# Altium PCB PCB1.PcbDoc (continued)
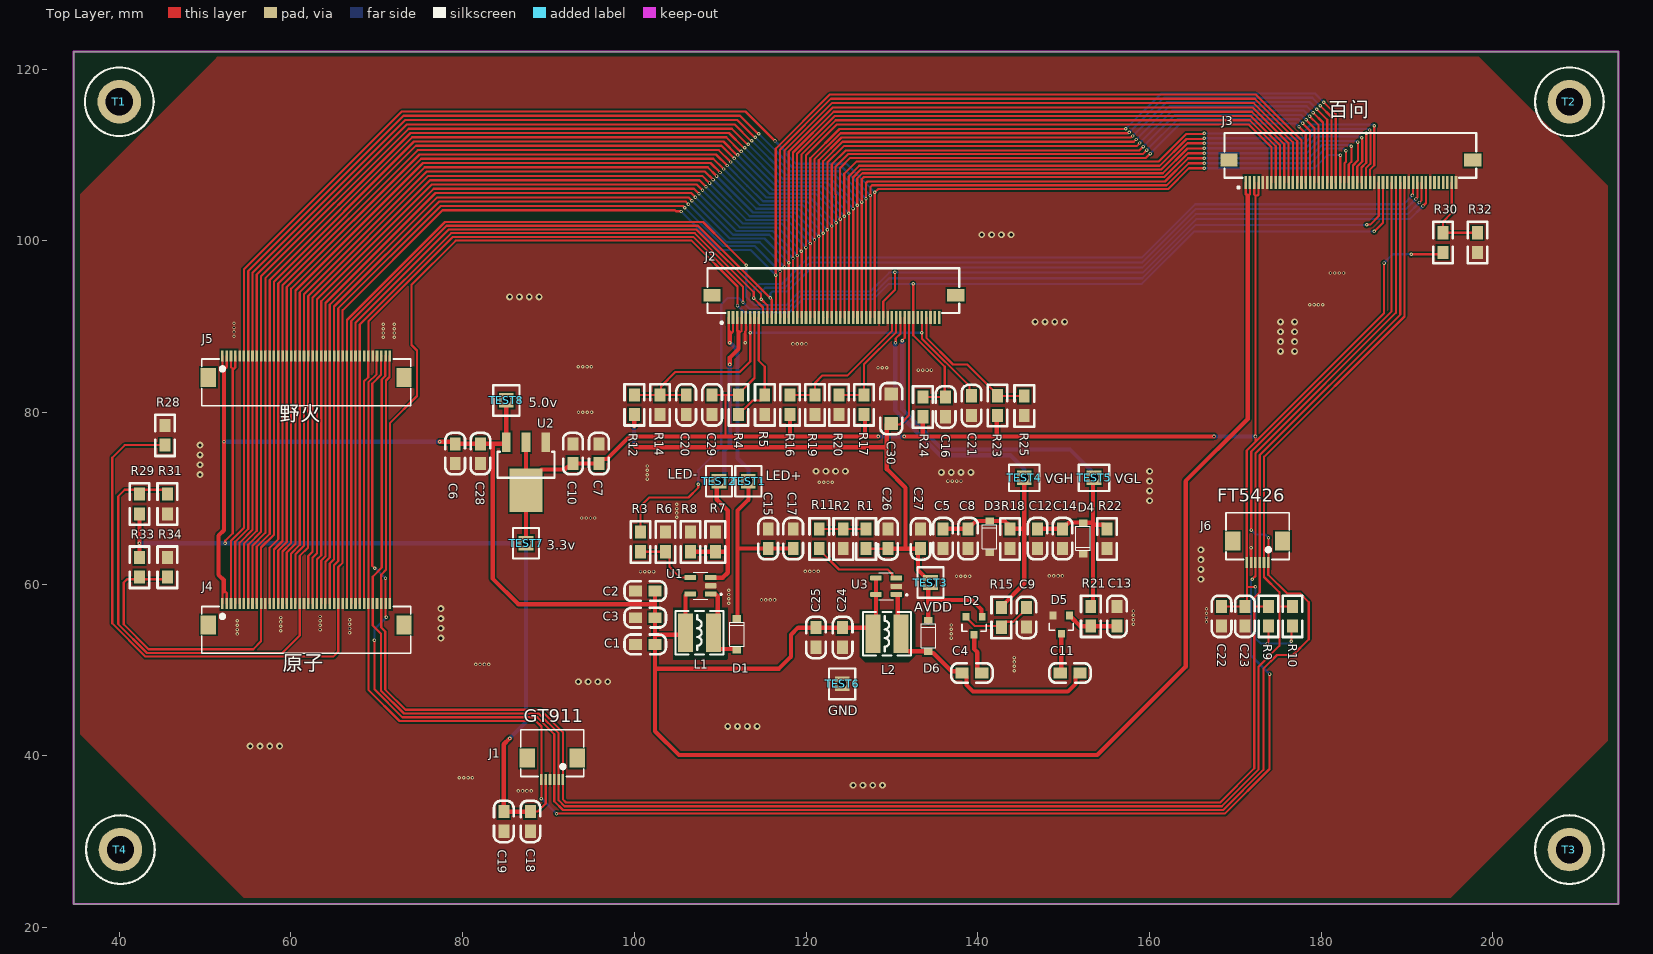
[diagram p0: Top Layer view]
## Nets (pads, with @x,y where several pads share a name; then routed paths per layer and width w, separated by ;. In a path a pad name is that pad's centre, name@x,y a point inside that pad or via, vN(x,y) a via of type N, cw(c..) or ccw(c..) an arc to the next point about the centre after c; other vN are vias at no path point) (continued)
LCD50V: C1.2 C2.2 C3.2 C6.2 C24.2 C25.2 C28.2 J3.1 J3.2 J4.1 J4.2 J5.1 J5.2 L1.1 L2.1 TEST8.1 U1.5 U2.3 U3.4 U3.5 | length 295.4
  Top Layer w0.254: J4.1 52.016,59.033 52.165,59.182 52.324,59.182 52.516,58.99 J4.2 ; J5.1 52.016,85.398 52.197,85.217 52.451,85.217 52.516,85.282 J5.2 ; J3.1 171.205,105.401 171.323,105.283 171.556,105.283 171.705,105.432 J3.2
  Top Layer w0.5: 52.165,59.182 52.165,60.484 51.562,61.087 51.562,65.659 52.197,66.294 v1(52.197,76.581) 52.197,85.217 ; v1(77.343,76.581) 78.903,76.581 C6.2 C28.2 83.492,76.352 ; TEST8.1 U2.3 84.912,76.352 83.492,76.352 ; C2.2@102.413,58.801 102.413,57.658 ; U1.5 106.131,58.867 105.944,58.68 L1.1 105.69,54.102 102.413,54.102 ; U3.4 U3.5 128.143,54.584 L2.1 127.788,54.315 127.163,54.94 C24.2 C25.2 119.075,54.94 118.237,54.102 118.237,51.562 116.84,50.165 102.413,50.165 ; 171.45,105.283 171.45,79.248 164.211,72.009 164.211,50.384 153.924,40.097 105.191,40.097 102.413,42.875 102.413,50.165 ; 83.492,76.352 83.492,60.653 86.487,57.658 102.413,57.658 ; 102.413,50.165 C1.2 102.413,54.102 ; 102.413,54.102 C3.2 102.413,57.658
  Bottom Layer w0.5: v1(52.197,76.581) v1(77.343,76.581)
LCD-D0: J2.19 J3.7 J4.21 J5.22 | length 182
  Top Layer w0.254: J4.21 62.016,63.286 62.516,63.786 J5.22 62.516,93.374 76.204,107.062 107.595,107.062 v1(108.344,106.312) ; J2.19 119.991,99.209 v1(119.984,99.216) 119.977,99.223 119.977,109.944 123.577,113.544 171.571,113.544 174.205,110.91 J3.7
  Bottom Layer w0.254: v1(108.344,106.312) 112.655,102.002 117.198,102.002 v1(119.984,99.216)
LCD-D1: J2.18 J3.8 J4.22 J5.23 | length 182.2
  Top Layer w0.254: J4.22 62.516,63.079 63.016,63.579 J5.23 63.016,93.167 76.411,106.562 107.274,106.562 v1(107.934,105.902) ; J2.18 119.491,98.698 119.452,98.737 v1(119.452,98.777) 119.452,110.033 123.457,114.038 171.691,114.038 174.705,111.024 J3.8
  Bottom Layer w0.254: v1(107.934,105.902) 112.268,101.568 116.661,101.568 v1(119.452,98.777)
LCD-D2: J2.17 J3.9 J4.23 J5.24 | length 182.5
  Top Layer w0.254: J4.23 63.016,62.872 63.516,63.372 J5.24 63.516,92.96 76.618,106.062 106.954,106.062 v1(107.524,105.492) ; J2.17 118.987,91.063 118.987,98.282 v1(118.984,98.286) 118.945,98.325 118.945,110.14 123.343,114.538 171.805,114.538 175.205,111.137 J3.9
  Bottom Layer w0.254: v1(107.524,105.492) 111.882,101.134 116.136,101.134 v1(118.984,98.286)
LCD-D3: J2.16 J3.10 J4.24 J5.25 | length 182.6
  Top Layer w0.254: J4.24 63.516,62.758 64.016,63.258 J5.25 64.016,92.753 76.826,105.562 106.634,105.562 v1(107.114,105.082) ; v1@118.477,97.946 118.477,110.285 123.23,115.038 171.918,115.038 175.705,111.251 J3.10 ; v1(118.48,97.946) 118.486,97.941 118.486,91.064 J2.16
  Bottom Layer w0.254: v1(107.114,105.082) 111.496,100.7 115.727,100.7 v1(118.48,97.946)
LCD-D4: J2.15 J3.11 J4.25 J5.26 | length 182.8
  Top Layer w0.254: J4.25 64.016,62.619 64.516,63.119 J5.26 64.516,92.546 77.033,105.062 106.314,105.062 v1(106.704,104.672) ; v1@117.974,97.444 117.974,110.396 123.116,115.538 123.485,115.538 172.032,115.538 176.205,111.365 J3.11 ; v1(117.979,97.444) 117.985,97.438 117.985,91.065 J2.15
  Bottom Layer w0.254: v1(106.704,104.672) 111.11,100.266 115.157,100.266 v1(117.979,97.444)
LCD-D5: J2.14 J3.12 J4.26 J5.27 | length 183
  Top Layer w0.254: J4.26 64.516,62.412 65.016,62.912 J5.27 65.016,92.339 77.24,104.562 105.993,104.562 v1(106.294,104.262) ; v1@117.472,96.943 117.472,110.508 123.002,116.038 172.146,116.038 176.705,111.479 J3.12 ; v1(117.478,96.943) 117.484,96.937 117.484,91.066 J2.14
  Bottom Layer w0.254: v1(106.294,104.262) 110.733,99.822 114.599,99.822 v1(117.478,96.943)
LCD-D6: J2.13 J3.13 J4.27 J5.28 | length 183.2
  Top Layer w0.254: J4.27 65.016,62.204 65.516,62.705 J5.28 65.516,92.132 77.447,104.062 105.673,104.062 v1(105.884,103.852) ; v1(116.966,96.432) 116.984,96.413 116.984,91.066 J2.13 ; v1@116.971,96.432 116.971,110.62 122.888,116.538 172.26,116.538 177.205,111.593 J3.13
  Bottom Layer w0.254: v1(105.884,103.852) 110.347,99.388 114.01,99.388 v1(116.966,96.432)
LCD-D7: J2.12 J3.14 J4.28 J5.29 R28.2 | length 243.3
  Top Layer w0.254: R28.2 40.64,76.2 39.181,74.741 39.181,55.434 43.053,51.562 64.925,51.562 65.516,52.153 J4.28 65.516,61.998 66.016,62.498 J5.29 66.016,91.924 77.654,103.562 104.736,103.562 104.863,103.435 105.422,103.435 v1(105.444,103.412) ; J2.12 116.505,91.073 116.505,95.926 116.459,95.972 v1(116.459,96.012) 116.459,110.722 122.775,117.038 172.373,117.038 177.705,111.706 J3.14
  Bottom Layer w0.254: v1(105.444,103.412) 109.924,98.933 113.538,98.933 v1(116.459,96.012)
LCD-D8: J2.27 J3.15 J4.12 J5.14 | length 193.4
  Top Layer w0.254: J4.12 57.516,64.247 58.516,65.247 J5.14 58.516,95.031 74.547,111.062 110.157,111.062 v1(111.625,109.593) ; v1(123.975,102.531) 123.952,102.554 123.952,108.458 125.156,109.662 159.6,109.662 v1(160.097,110.159) ; J2.27 123.998,91.066 v1@123.998,102.587 ; v1(177.419,113.284) 178.205,112.498 J3.15
  Bottom Layer w0.254: v1(111.625,109.593) 115.735,105.484 121.113,105.484 123.52,103.077 123.52,102.986 v1(123.975,102.531) ; v1(160.097,110.159) 163.603,113.665 177.038,113.665 v1(177.419,113.284)
LCD-D9: J2.26 J3.16 J4.13 J5.15 | length 193.7
  Top Layer w0.254: J4.13 58.016,64.04 59.016,65.04 J5.15 59.016,94.824 74.754,110.562 109.836,110.562 v1(111.215,109.183) ; v1@123.448,102.065 123.474,102.065 123.498,102.041 123.498,96.865 123.491,96.858 J2.26 ; v1(123.491,102.108) 123.468,102.131 123.468,105.402 123.444,105.426 123.444,108.657 124.883,110.096 159.213,110.096 v1(159.687,110.569) ; v1(177.829,113.694) 178.705,112.818 J3.16
  Bottom Layer w0.254: v1(111.215,109.183) 115.348,105.05 120.462,105.05 122.947,102.565 123.034,102.565 v1(123.491,102.108) ; v1(159.687,110.569) 163.282,114.165 177.358,114.165 v1(177.829,113.694)
LCD-D10: J2.25 J3.17 J4.14 J5.16 | length 194
  Top Layer w0.254: J4.14 58.516,63.926 59.516,64.927 59.516,94.617 74.962,110.062 109.516,110.062 v1(110.805,108.773) ; J2.25 122.991,96.668 122.998,96.675 122.998,101.714 v1@122.991,101.721 ; v1(122.991,101.728) 122.984,101.735 122.984,108.904 124.61,110.53 158.827,110.53 v1(159.277,110.979) ; v1(178.239,114.104) 179.205,113.138 J3.17
  Bottom Layer w0.254: v1(110.805,108.773) 113.155,106.424 114.972,104.606 120.066,104.606 122.467,102.205 122.514,102.205 v1(122.991,101.728) ; v1(159.277,110.979) 162.962,114.665 177.678,114.665 v1(178.239,114.104)
LCD-D11: J2.24 J3.18 J4.15 J5.17 | length 194.4
  Top Layer w0.254: J4.15 59.016,63.812 60.016,64.813 60.016,94.41 75.169,109.562 109.196,109.562 v1(110.395,108.363) ; J2.24 122.491,96.449 122.494,96.453 122.494,101.277 v1@122.491,101.281 ; v1(122.491,101.288) 122.484,101.295 122.484,109.111 124.403,111.03 158.507,111.03 v1(158.866,111.39) ; v1(178.649,114.514) 179.705,113.459 J3.18
  Bottom Layer w0.254: v1(110.395,108.363) 114.586,104.172 119.6,104.172 122.484,101.288 v1(122.491,101.288) ; v1(158.866,111.39) 162.642,115.165 177.999,115.165 v1(178.649,114.514)
LCD-D12: J2.23 J3.19 J4.16 J5.18 | length 194.7
  Top Layer w0.254: J4.16 59.516,63.699 60.516,64.699 60.516,94.203 75.376,109.062 108.876,109.062 v1(109.985,107.953) ; v1@121.987,100.874 121.987,91.063 J2.23 ; v1(121.987,100.878) 121.984,100.881 121.984,109.279 124.235,111.53 158.187,111.53 v1(158.456,111.8) ; v1(179.059,114.924) 180.205,113.779 J3.19
  Bottom Layer w0.254: v1(109.985,107.953) 114.2,103.738 119.124,103.738 121.984,100.878 v1(121.987,100.878) ; v1(158.456,111.8) 162.322,115.665 178.319,115.665 v1(179.059,114.924)
LCD-D13: J2.22 J3.20 J4.17 J5.19 | length 195
  Top Layer w0.254: J4.17 60.016,63.585 61.016,64.585 61.016,93.995 75.583,108.562 108.555,108.562 v1(109.575,107.543) ; J2.22 121.491,100.498 v1(121.48,100.508) 121.48,109.39 124.121,112.03 157.827,112.03 158.007,112.21 v1(158.046,112.21) ; v1(179.47,115.335) 180.705,114.099 J3.20
  Bottom Layer w0.254: v1(109.575,107.543) 113.813,103.304 118.685,103.304 v1(121.48,100.508) ; v1(158.046,112.21) 162.001,116.165 178.639,116.165 v1(179.47,115.335)
LCD-D14: J2.21 J3.21 J4.18 J5.20 | length 195.3
  Top Layer w0.254: J4.18 60.516,63.471 61.516,64.471 61.516,93.788 75.79,108.062 108.235,108.062 v1(109.165,107.133) ; J2.21 120.991,100.091 v1(120.984,100.098) 120.967,100.115 120.967,109.49 124.007,112.53 157.507,112.53 157.597,112.62 v1(157.636,112.62) ; v1(179.88,115.745) 181.205,114.419 J3.21
  Bottom Layer w0.254: v1(109.165,107.133) 113.427,102.87 118.212,102.87 v1(120.984,100.098) ; v1(157.636,112.62) 161.681,116.665 178.959,116.665 v1(179.88,115.745)
LCD-D15: J2.20 J3.22 J4.19 J5.21 R29.2 R31.1 | length 243.6
  Top Layer w0.254: R31.1@45.529,70.866 45.402,70.993 42.291,70.993 40.64,70.993 39.878,70.231 39.878,55.351 43.233,51.996 58.995,51.996 61.016,54.017 J4.19 61.016,63.302 61.973,64.259 61.973,85.914 61.993,85.934 61.993,86.555 J5.21 62.016,93.581 75.997,107.562 107.915,107.562 v1(108.754,106.722) ; J2.20 120.491,99.681 v1(120.484,99.688) 120.477,99.695 120.477,109.614 123.893,113.03 157.219,113.03 v1(157.226,113.037) ; v1(180.29,116.155) 181.705,114.74 J3.22
  Bottom Layer w0.254: v1(108.754,106.722) 113.041,102.436 117.736,102.436 v1(120.484,99.688) ; v1(157.226,113.037) 157.233,113.037 161.361,117.165 179.28,117.165 v1(180.29,116.155)
LCD-D16: J2.35 J3.23 J4.3 J5.6 | length 198.6
  Top Layer w0.254: J4.3 53.016,65.063 54.516,66.563 J5.6 54.516,96.688 72.891,115.062 112.95,115.062 v1(116.379,111.633) v1@116.407,111.661 ; J2.35 128.003,91.072 128.003,105.651 v1(128.01,105.658) 128.397,106.045 162.179,106.045 164.592,108.458 v1(166.37,108.458) ; J3.23 182.225,106.827 182.225,109.962 v1(182.245,109.982)
  Bottom Layer w0.254: v1(116.379,111.633) 117.611,110.401 117.611,110.17 118.815,108.966 124.714,108.966 128.01,105.67 v1(128.01,105.658) ; v1(166.37,108.458) 179.197,108.458 180.721,109.982 v1(182.245,109.982)
LCD-D17: J2.34 J3.24 J4.4 J5.7 | length 199.5
  Top Layer w0.254: J4.4 53.516,64.949 55.016,66.449 J5.7 55.016,96.481 73.098,114.562 112.295,114.562 114.393,112.464 v1(114.496,112.464) ; J2.34 127.491,105.276 127.49,106.277 127.692,106.479 161.999,106.479 164.558,109.038 v1(166.37,109.038) ; J3.24 182.705,109.003 182.88,109.178 v1(182.88,110.49)
  Bottom Layer w0.254: v1(114.496,112.464) 118.428,108.532 124.247,108.532 127.49,105.289 v1(127.49,105.277) ; v1(166.37,109.038) 178.785,109.038 180.491,110.744 182.586,110.744 182.84,110.49 v1(182.88,110.49)
LCD-D18: J2.33 J3.25 J4.5 J5.8 | length 200.2
  Top Layer w0.254: J4.5 54.016,64.835 55.516,66.335 J5.8 55.516,96.274 73.305,114.062 111.975,114.062 113.983,112.054 v1(114.086,112.054) ; J2.33 126.986,91.064 126.986,104.893 v1(126.983,104.896) 126.983,106.743 127.152,106.913 161.819,106.913 164.524,109.618 v1(166.37,109.618) ; J3.25 183.205,108.889 183.515,109.199 v1(183.515,110.998)
  Bottom Layer w0.254: v1(114.086,112.054) 118.042,108.098 123.791,108.098 126.983,104.906 v1(126.983,104.896) ; v1(166.37,109.618) 178.545,109.618 180.105,111.178 183.295,111.178 183.475,110.998 v1(183.515,110.998)
LCD-D19: J2.32 J3.26 J4.6 J5.9 | length 201.1
  Top Layer w0.254: J4.6 54.516,64.721 56.016,66.222 J5.9 56.016,96.067 73.512,113.562 111.655,113.562 113.573,111.644 v1(113.676,111.644) ; J2.32 126.483,91.067 126.483,104.507 v1(126.476,104.515) 126.476,107.166 126.741,107.431 161.724,107.431 164.491,110.198 v1(166.37,110.198) ; J3.26 183.705,108.775 184.277,109.347 v1(184.277,111.498)
  Bottom Layer w0.254: v1(113.676,111.644) 117.656,107.664 123.339,107.664 126.476,104.527 v1(126.476,104.515) ; v1(166.37,110.198) 178.304,110.198 179.739,111.633 184.102,111.633 184.237,111.498 v1(184.277,111.498)
LCD-D20: J2.31 J3.27 J4.7 J5.10 | length 201.6
  Top Layer w0.254: J4.7 55.016,64.608 56.516,66.108 J5.10 56.516,95.859 73.719,113.062 111.334,113.062 113.163,111.234 v1(113.266,111.234) ; J2.31 125.991,104.116 v1(125.973,104.134) 125.969,104.138 125.969,107.273 126.561,107.865 161.544,107.865 164.423,110.744 166.336,110.744 v1(166.37,110.778) ; J3.27 184.205,108.661 184.784,109.24 184.784,111.708 184.771,111.721 184.771,111.986 v1(184.743,112.014)
  Bottom Layer w0.254: v1(113.266,111.234) 117.27,107.23 122.889,107.23 125.973,104.146 v1(125.973,104.134) ; v1(166.37,110.778) 178.177,110.778 179.54,112.141 184.576,112.141 184.703,112.014 v1(184.743,112.014)
LCD-D21: J2.30 J3.28 J4.8 J5.11 | length 201.8
  Top Layer w0.254: J4.8 55.516,64.494 57.016,65.994 J5.11 57.016,95.652 73.926,112.562 111.014,112.562 112.752,110.824 v1(112.856,110.824) ; v1@125.466,103.809 125.466,107.384 126.381,108.299 161.365,108.299 164.423,111.358 v1(166.37,111.358) ; v1(125.478,103.753) 125.502,103.729 125.502,91.07 J2.30 ; J3.28 184.705,108.547 185.25,109.092 185.25,112.499 v1(185.227,112.522)
  Bottom Layer w0.254: v1(112.856,110.824) 116.883,106.796 122.447,106.796 125.478,103.765 v1(125.478,103.753) ; v1(166.37,111.358) 178.05,111.358 179.288,112.596 184.735,112.596 184.781,112.55 185.2,112.55 v1(185.227,112.522)
LCD-D22: J2.29 J3.29 J4.9 J5.12 | length 202.3
  Top Layer w0.254: J4.9 56.016,64.38 57.516,65.88 J5.12 57.516,95.445 74.133,112.062 110.694,112.062 112.342,110.414 v1(112.446,110.414) ; v1(124.962,103.197) 124.968,103.203 124.968,107.5 126.202,108.733 161.185,108.733 164.316,111.865 166.297,111.865 v1(166.37,111.938) ; v1@124.987,103.197 124.987,91.063 J2.29 ; J3.29 185.205,108.434 185.734,108.963 185.734,112.794 185.661,112.867 v1(185.661,112.907)
  Bottom Layer w0.254: v1(112.446,110.414) 116.497,106.362 121.971,106.362 123.453,104.881 123.453,104.706 v1(124.962,103.197) ; v1(166.37,111.938) 177.923,111.938 179.015,113.03 185.499,113.03 185.622,112.907 v1(185.661,112.907)
LCD-D23: J2.28 J3.30 J4.10 J5.13 R33.2 R34.1 | length 234.9
  Top Layer w0.254: R34.1 45.339,60.579 42.355,60.579 40.894,60.579 40.513,60.198 40.513,55.33 43.413,52.43 55.605,52.43 56.516,53.341 J4.10 56.516,64.266 58.016,65.767 J5.13 58.016,95.238 74.34,111.562 110.374,111.562 111.932,110.003 v1(112.035,110.003) ; v1(124.459,102.858) 124.455,102.862 124.455,107.818 125.857,109.22 161.058,109.22 164.283,112.445 166.297,112.445 v1(166.37,112.518) ; v1@124.485,102.858 124.485,91.065 J2.28 ; J3.30 185.705,108.32 186.182,108.797 v1(186.182,113.411)
  Bottom Layer w0.254: v1(112.035,110.003) 116.121,105.918 121.43,105.918 124.459,102.889 v1(124.459,102.858) ; v1(166.37,112.518) 177.796,112.518 178.816,113.538 186.015,113.538 186.142,113.411 v1(186.182,113.411)
LCD-DE: J2.9 J3.40 J4.33 J5.33 | length 172.9
  Top Layer w0.254: J4.33 68.016,60.942 J5.33 68.016,90.241 78.666,100.891 107.029,100.891 113.9,94.02 v1(113.9,93.326) ; v1@113.919,93.326 113.919,93.308 114.988,92.239 114.988,91.063 J2.9 ; v1(190.627,105.283) 190.705,105.361 J3.40
  Bottom Layer w0.254: v1(113.9,93.326) 113.9,94.342 114.533,94.975 117.2,94.975 120.262,98.037 159.103,98.037 165.333,104.267 189.611,104.267 v1(190.627,105.283)
LCD-HSYNC: J2.11 J3.42 J4.31 J5.31 | length 175.1
  Top Layer w0.254: J4.31 67.016,61.356 J5.31 67.016,90.656 78.12,101.759 107.41,101.759 v1(115.824,93.345) 115.824,93.305 115.991,93.138 J2.11 ; v1(191.447,104.463) 191.705,104.721 J3.42
  Bottom Layer w0.254: v1(115.824,93.345) 115.824,93.853 116.078,94.107 117.856,94.107 120.626,96.877 159.171,96.877 165.401,103.107 190.091,103.107 v1(191.447,104.463)
LCD-ID: J3.49 R30.2 R32.2 | length 10.3
  Top Layer w0.254: J3.49 195.205,103.257 194.183,102.235 R30.2 R32.2
LCD-LR: J2.39 R16.2 R19.1 | length 17.3
  Top Layer w0.254: R16.2 R19.1 121.031,83.439 121.92,84.328 124.841,84.328 129.991,89.478 J2.39
LCD-PCLK: J2.37 J3.43 J4.30 J5.30 | length 182.8
  Top Layer w0.254: J4.30 66.516,61.563 J5.30 66.516,90.769 77.94,102.193 107.992,102.193 110.751,99.434 v1(113.03,97.155) ; J2.37 128.991,92.923 130.349,94.281 v1(130.349,96.342) ; v1(191.857,104.053) 192.205,104.4 J3.43
  Bottom Layer w0.254: v1(113.03,97.155) 113.03,93.48 114.001,92.509 117.676,92.509 119.274,94.107 127.508,94.107 129.698,96.297 130.349,96.297 159.204,96.297 165.434,102.527 190.332,102.527 v1(191.857,104.053)
LCD-PWM: J3.32 J4.34 J5.35 R3.1 | length 203.9
  Top Layer w0.254: J4.34 68.516,83.629 68.993,84.106 68.993,86.555 J5.35 69.039,86.601 69.039,90.629 78.867,100.457 106.849,100.457 112.649,94.657 v1(112.649,92.837) ; R3.1 100.711,69.088 101.727,70.104 106.299,70.104 107.442,71.247 v1(107.442,71.628) ; v1(185.293,101.854) 185.321,101.882 185.702,101.882 186.705,102.885 J3.32
  Bottom Layer w0.254: v1(107.442,71.628) 107.442,73.279 110.109,75.946 110.109,92.583 110.871,93.345 112.141,93.345 v1(112.649,92.837) 113.411,92.075 117.856,92.075 119.454,93.673 127.709,93.673 129.667,95.631 159.152,95.631 165.375,101.854 v1(185.293,101.854)
LCD-RESET: C16.2 J2.44 J3.33 J4.40 R24.2 | length 185.5
  Top Layer w0.254: J4.40 71.516,78.755 74.676,81.915 74.676,87.233 74.041,87.868 74.041,94.869 79.195,100.023 106.67,100.023 112.014,94.679 v1(112.014,92.456) ; v1(132.474,94.983) 132.483,94.974 132.483,91.067 J2.44 132.491,88.997 136.144,85.344 C16.2@136.144,81.788 ; R24.2@133.233,81.788 C16.2 ; v1(186.182,101.092) 187.205,102.115 J3.33
  Bottom Layer w0.254: v1(112.014,92.456) 112.829,91.641 118.036,91.641 119.634,93.239 127.889,93.239 129.633,94.983 v1(132.474,94.983) 159.118,94.983 165.227,101.092 v1(186.182,101.092)
LCD-UD: J2.40 R17.2 R20.1 | length 13.2
  Top Layer w0.254: R20.1 R17.2@126.619,82.042 ; R17.2@126.746,82.169 126.746,85.619 130.491,89.364 J2.40
LCD-VSYNC: J2.10 J3.41 J4.32 J5.32 | length 174.2
  Top Layer w0.254: J4.32 J5.32 67.516,90.449 78.393,101.325 107.209,101.325 114.767,93.767 v1(114.767,93.177) ; v1@114.815,93.169 115.491,92.492 J2.10 ; v1(191.037,104.873) 191.205,105.041 J3.41
  Bottom Layer w0.254: v1(114.767,93.177) 114.767,94.066 115.242,94.541 117.528,94.541 120.444,97.457 159.137,97.457 165.367,103.687 189.851,103.687 v1(191.037,104.873)
LED+: C15.2 C17.2 D1.K J2.1 J2.2 TEST1.1 | length 45.3
  Top Layer w0.254: J2.1 110.991,89.415 111.132,89.274 111.342,89.274 111.491,89.423 J2.2
  Top Layer w0.5: v1(111.125,88.138) 111.125,89.267 111.132,89.274 ; D1.K@111.76,55.931 111.86,55.931 112.01,56.081 112.01,56.181 112.014,56.185 112.014,64.16 ; TEST1.1 113.284,69.85 112.014,68.58 112.014,64.16 ; C17.2 C15.2 112.014,64.16
  Bottom Layer w0.5: v1(111.125,88.138) 112.014,87.249 112.014,74.676 113.284,73.406 TEST1.1
LED-: J2.3 J2.4 R7.2 R8.2 TEST2.1 U1.3 | length 39.9
  Top Layer w0.254: J2.3 111.991,89.512 112.14,89.363 112.35,89.363 112.491,89.504 J2.4
  Top Layer w0.5: R8.2 R7.2 110.871,63.779 ; U1.3 110.297,60.767 110.871,61.341 110.871,63.779 ; TEST2.1 109.601,71.755 109.601,69.85 110.871,68.58 110.871,63.779 ; v1(111.125,85.598) 111.125,86.4 112.14,87.415 112.14,89.363
  Bottom Layer w0.5: TEST2.1 110.455,72.609 110.455,75.504 111.125,76.174 v1(111.125,85.598)
MODE: J2.8 R4.1 R5.1 | length 13.4
  Top Layer w0.254: R4.1 112.141,79.883 112.649,80.391 112.776,80.391 113.792,81.407 114.681,81.407 115.189,81.915 R5.1 115.189,85.344 114.491,86.042 J2.8
NetC4_1: C4.1 D2.3 | length 4.9
  Top Layer w0.5: D2.3 139.573,52.451 139.95,52.074 139.95,50.042 140.335,49.657 C4.1
NetC4_2: C4.2 C11.2 D6.A L2.2 U3.1 | length 31.3
  Top Layer w0.5: U3.1 130.638,58.806 130.683,58.761 130.683,54.584 L2.2 131.038,52.854 131.663,52.229 131.924,52.229 131.956,52.197 134.188,52.197 D6.A ; D6.A@134.314,52.171 134.489,51.996 134.821,51.996 136.957,49.86 137.973,49.86 C4.2 138.303,49.657 138.688,49.272 138.688,48.256 139.446,47.498 150.495,47.498 151.38,48.383 151.38,49.272 151.765,49.657 C11.2
NetC9_2: C9.2 D2.2 R15.1 | length 8.7
  Top Layer w0.254: D2.2 138.623,56.167 139.672,55.118 142.617,55.118 R15.1 142.748,55.114 143.256,55.622 144.141,55.622 145.669,57.15 C9.2
NetC11_1: C11.1 D5.3 | length 4.6
  Top Layer w0.5: C11.1 149.733,49.784 D5.3
NetC13_1: C13.1 D5.1 R21.1 | length 6.1
  Top Layer w0.5: D5.1 150.683,56.294 150.833,56.144 150.883,56.144 151.909,55.118 C13.1
NetD1_A: D1.A L1.2 U1.1 | length 9.7
  Top Layer w0.5: U1.1 108.931,58.822 109.435,58.822 109.728,58.529 109.728,54.89 109.397,54.559 L1.2 109.194,53.076 109.819,52.451 111.832,52.451 D1.A
NetR1_2: R1.2 R2.2 R11.2 | length 5.7
  Top Layer w0.254: R11.2 R2.2 R1.2@127.254,66.421
NetR3_2: R3.2 R6.2 U1.4 | length 7.8
  Top Layer w0.254: R3.2 R6.2 104.082,63.315 104.082,62.034 105.349,60.767 U1.4
NetR11_1: R11.1 U3.3 | length 10.7
  Top Layer w0.254: R11.1 121.539,64.008 123.825,61.722 129.507,61.722 130.047,61.182 130.047,60.874 130.215,60.706 U3.3
VCOM: C20.2 C21.2 J2.6 J2.46 R12.2 R14.1 | length 55.3
  Top Layer w0.254: R12.2 R14.1 ; C20.2 R14.1 ; J2.6 v1(113.491,89.281) 113.491,85.932 112.268,84.709 104.775,84.709 103.102,83.036 103.102,82.147 R14.1 ; J2.46 133.491,88.611 139.049,83.053 139.049,82.185 C21.2
  Bottom Layer w0.254: v1(113.491,89.281) v1(133.477,89.281)
VDD33: C7.2 C10.2 C18.2 C19.2 C22.2 C23.2 C29.2 J1.5 J2.7 J3.3 J3.4 J5.3 J5.4 J6.6 R4.2 R9.2 R10.2 R16.1 R17.1 R23.1 R24.1 R29.1 R30.1 R33.1 TEST7.1 U2.2 | length 345
  Top Layer w0.254: R33.1@42.35,63.123 R33.1 ; R29.1@42.35,68.195 R29.1 ; v1(52.324,64.77) 52.352,64.798 52.352,65.072 53.213,65.933 53.213,85.09 ; J5.3 53.016,85.287 53.213,85.09 ; J5.4 53.516,85.239 53.368,85.09 53.213,85.09 ; C18.2 87.929,33.541 88.762,33.541 89.674,34.453 J1.5 ; C29.2 110.601,82.042 ; 110.49,77.216 110.601,77.327 110.601,82.042 ; J2.7 113.991,89.757 113.998,89.75 113.998,84.026 112.141,82.169 R4.2 110.601,82.042 ; C22.2 C23.2 171.343,57.628 171.343,59.69 ; J3.3 172.205,105.432 172.354,105.283 172.593,105.283 172.705,105.395 J3.4 ; v1(172.339,59.69) 171.343,59.69 ; v1(172.338,77.216) v1@172.347,77.216 ; 172.347,105.29 v1@172.347,77.216 ; 173.863,53.253 R9.2 ; v1(176.53,53.34) 176.53,54.991 R10.2 ; v1(187.325,97.409) 187.325,91.567 172.347,76.589 ; v1(190.5,98.425) 193.954,98.425 R30.1 ; 171.343,59.69 J6.6 171.343,63.027 171.323,63.047 171.323,75.565 172.347,76.589 ; 172.347,76.589 v1@172.347,77.216
  Top Layer w0.5: R33.1@42.35,63.123 R29.1@42.35,68.195 ; v1(85.471,42.037) 84.792,41.358 C19.2 87.343,33.506 C18.2@87.47,33.379 ; TEST7.1 87.376,70.942 U2.2@87.376,71.577 ; U2.2@87.376,76.53 U2.2@87.376,71.577 ; R16.1 118.124,77.216 ; R17.1 126.873,79.629 126.873,77.216 ; v1(128.397,77.216) 126.873,77.216 ; v1(131.445,77.216) 133.604,77.216 ; R24.1 133.604,77.216 ; R23.1 142.2,79.568 142.2,77.216 ; v1(167.513,77.216) 142.2,77.216 ; U2.2@87.376,71.577 89.154,73.355 91.897,73.355 92.605,74.063 C10.2 C7.2 95.856,74.19 96.241,74.575 96.8,74.575 99.441,77.216 110.49,77.216 118.124,77.216 ; 118.124,77.216 126.873,77.216 ; 133.604,77.216 142.2,77.216
  Bottom Layer w0.254: v1(172.339,59.69) 172.339,53.721 172.974,53.086 v1(173.736,53.086) 176.276,53.086 v1(176.53,53.34) ; v1(187.325,97.409) 188.341,98.425 v1(190.5,98.425)
  Bottom Layer w0.5: v1(42.35,64.77) v1(52.324,64.77) TEST7.1 87.376,43.942 v1(85.471,42.037) ; v1(128.397,77.216) v1(131.445,77.216) ; v1(167.513,77.216) v1(172.338,77.216)
VGH: C5.2 C8.2 D3.K J2.41 R15.2 R18.2 TEST4.1 | length 56.6
  Top Layer w0.254: v1(130.414,88.123) 130.442,88.151 130.442,88.638 130.991,89.187 J2.41
  Top Layer w0.5: C5.2 C8.2 138.871,66.577 139.256,66.962 139.383,66.962 139.792,67.371 D3.K 143.131,67.371 143.54,66.962 143.667,66.962 144.052,66.577 144.052,66.45 145.317,66.45 145.415,66.548 ; R15.2 142.748,57.4 145.415,60.067 145.415,66.548 ; TEST4.1 145.415,66.548
  Bottom Layer w0.5: v1(130.414,88.123) 130.385,88.094 130.385,80.235 135.608,75.012 143.809,75.012 145.415,73.406 TEST4.1
VGL: C12.2 C14.2 D4.A J2.42 R21.2 R22.2 TEST5.1 | length 60.4
  Top Layer w0.254: v1(131.191,88.369) 131.191,88.409 131.491,88.709 J2.42
  Top Layer w0.5: C12.2 C14.2 149.874,66.577 150.259,66.962 150.386,66.962 150.607,67.183 D4.A@152.273,67.183 ; D4.A 153.416,67.158 153.416,72.771 TEST5.1@153.543,72.898 ; R21.2 153.416,57.654 153.416,66.929 154.682,66.929 155.067,66.544 R22.2
  Bottom Layer w0.5: v1(131.191,88.369) 131.191,80.391 135.89,75.692 150.749,75.692 TEST5.1@153.543,72.898
pads on no net: J1.0 J2.45 J2.49 J2.50 J2.51 J2.52 J3.34 J3.45 J3.46 J3.47 J3.48 J3.51 J3.52 J4.0 J4.37 J5.0 J6.0 T1.1 T2.1 T3.1 T4.1

## Polygon pours and split planes (outlines as drawn)
GND on Top Layer "GND_L01_P002" (solid, remove dead copper, pour order 2): 51.435,121.412 198.374,121.412 213.36,106.426 213.36,41.783 195.072,23.495 54.483,23.495 35.433,42.545 35.433,105.41 51.181,121.158
GND on Bottom Layer "GND_L02_P001" (solid, remove dead copper, pour order 1): 51.512,121.46 198.451,121.46 213.437,106.474 213.437,41.831 195.149,23.543 54.56,23.543 35.51,42.593 35.51,105.458 51.258,121.206

## Keep-outs
Keep-Out Layer:
  the board outline again, w0.254

## Other copper
Top Layer:
  pour cut-out: 126.238,57.023 132.207,57.023 132.715,56.515 132.715,51.689 131.953,50.927 126.873,50.927 126.238,51.562
  pour cut-out: 104.521,57.277 110.871,57.277 110.871,51.308 110.744,51.181 104.521,51.181
Bottom Layer:
  pour cut-out: 126.238,57.023 132.207,57.023 132.715,56.515 132.715,51.689 131.953,50.927 126.873,50.927 126.238,51.562
  pour cut-out: 104.521,57.277 110.871,57.277 110.871,51.308 104.648,51.308 104.521,51.181

## Silkscreen, mask and mechanical layers (free items; w line width, h text height)
Top Overlay:
  text "百问" at 180.848,113.897 h3
  text "5.0v" at 87.704,80.587 h1.1
  text "野火" at 58.674,78.486 h3
  text "LED-" at 103.886,72.263 h1.1
  text "LED+" at 115.316,72.136 h1.1
  text "VGH" at 147.828,71.755 h1.1
  text "VGL" at 155.956,71.755 h1.1
  text "FT5426" at 167.894,69.596 h1.52
  text "3.3v" at 89.789,64.008 h1.1
  text "AVDD" at 132.588,56.769 h1.1
  text "原子" at 59.055,49.403 h3
  text "GND" at 122.606,44.723 h1.1
  text "GT911" at 87.122,43.942 h1.52